# Altium PCB RK_NVR_DEMO1_RK3588_LP4XD200P232SD8_V21_20211228_final_lint.PcbDoc (part 10 of 29) (continued)
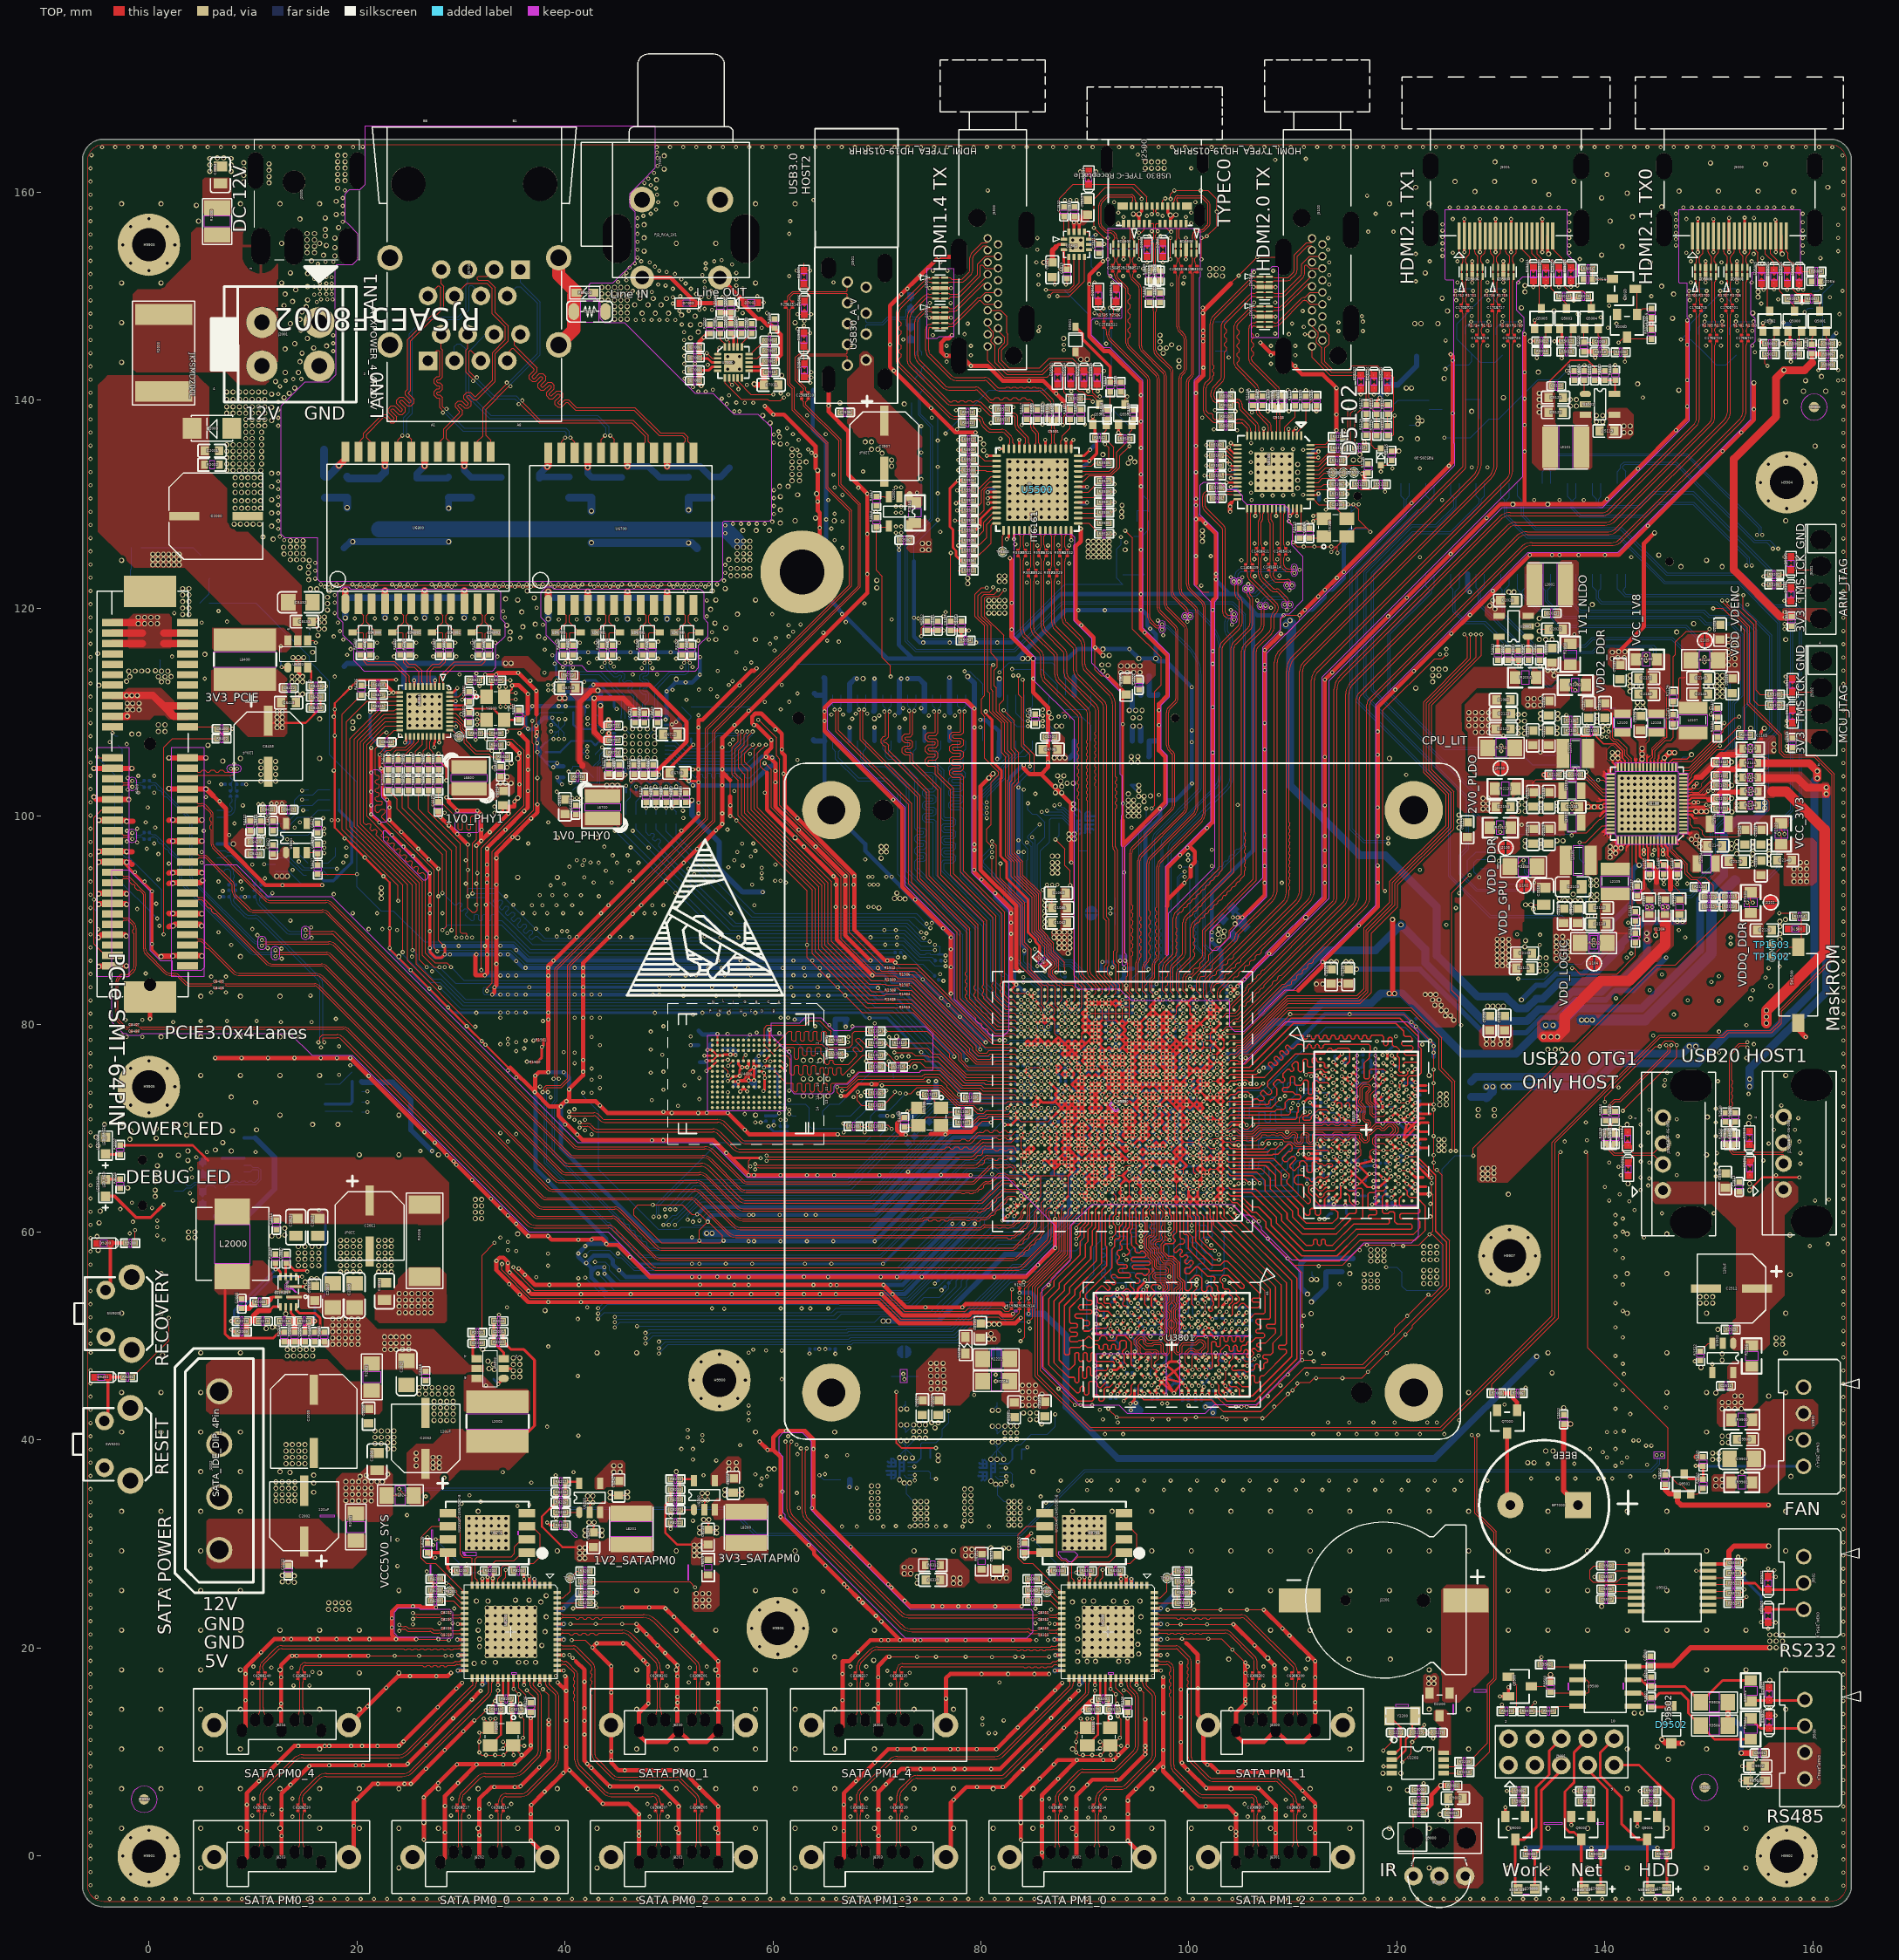
[diagram p0: TOP view]
## Nets (pads, with @x,y where several pads share a name; then routed paths per layer and width w, separated by ;. In a path a pad name is that pad's centre, name@x,y a point inside that pad or via, vN(x,y) a via of type N, cw(c..) or ccw(c..) an arc to the next point about the centre after c; other vN are vias at no path point) (continued)
  TOP w0.102: C8400.2@7.445,108.395 v18(8.018,108.395) ; v16(13.758,112.916) v16(13.758,113.424) v16(14.266,113.424) ; v16(13.86,115.253) 14.316,114.796 ; C8415.2@14.128,110.909 C8415.2@14.128,111.101 ; v16(14.266,111.748) 14.128,111.609 C8415.2@14.128,111.101 ; v16(14.266,112.916) v16(14.266,113.424) ; U8402.2@14.316,114.289 U8402.2@14.316,114.693 ; v16(14.368,115.253) 14.316,115.201 14.316,114.796 ; v16(14.774,111.748) C8415.2@14.128,111.101 ; v16(14.774,112.916) v16(14.774,113.424) v16(14.266,113.424) ; v16(14.876,115.253) U8402.2@14.316,114.693 ; R8433.2@16.506,112.493 v18(17.032,112.493) ; v16(16.871,117.996) v16(16.338,117.996) 15.637,118.697 C8433.2@15.637,118.702 C8433.2@15.901,118.702 ; v16(16.871,118.631) v16(16.338,118.631) 16.267,118.702 C8433.2@15.901,118.702 ; v16(16.871,119.139) v16(16.338,119.139) C8433.2@15.901,118.702 ; v1(17.677,122.06) 17.829,122.212 19.81,122.212 v1(19.963,122.06) v1(20.725,122.06) v1(21.487,122.06) 21.639,122.212 23.62,122.212 v1(23.773,122.06) v1(24.535,122.06) v1(25.297,122.06) 25.449,122.212 27.43,122.212 v1(27.583,122.06) v1(28.345,122.06) v1(29.107,122.06) 29.259,122.212 31.24,122.212 v1(31.393,122.06) v1(32.155,122.06) v1(32.917,122.06) v1(33.679,122.06) v1(34.441,122.06) v1(35.203,122.06) v1(35.965,122.06) v1(36.727,122.06) v1(37.489,122.06) 37.641,122.212 38.86,122.212 v1(39.013,122.06) v1(39.775,122.06) v1(40.537,122.06) v1(41.299,122.06) 41.451,122.212 42.67,122.212 v1(42.823,122.06) v1(43.585,122.06) v1(44.347,122.06) v1(45.109,122.06) 45.261,122.212 46.48,122.212 v1(46.633,122.06) v1(47.395,122.06) v1(48.157,122.06) v1(48.919,122.06) 49.071,122.212 50.29,122.212 v1(50.443,122.06) ; v2(21.099,19.266) v2(23.639,19.266) v1(25.976,19.266) v18(28.516,19.266) v18(29.1,19.266) ; v18(21.366,106.561) 21.366,106.859 22.55,108.043 v2(22.848,108.043) ; v1(22.179,105.906) 22.179,106.045 22.75,106.617 23.055,106.617 23.301,106.864 C6826.2@23.301,107.125 23.563,107.125 v2(24.172,107.734) ; v1(25.696,20.866) v18(27.83,20.866) 27.931,20.765 v18(28.846,20.765) ; R6825.2@26.873,105.385 26.873,105.251 27.322,104.802 v2(27.322,103.899) v1(27.322,101.842) 27.322,100.96 C6823.2@27.83,100.452 ; v2(27.83,94.942) v2(27.83,92.291) 27.83,88.024 v2(28.338,87.516) ; v2(30.04,109.817) 30.786,109.071 C6800.2@30.786,109.018 ; v2(30.116,111.189) 30.116,111.316 30.737,111.937 C6801.2@30.786,111.937 v2(31.36,111.937) ; v2(30.675,97.27) v2(30.675,94.831) v2(30.675,92.291) 30.675,91.166 31.081,90.76 31.386,90.76 31.589,90.963 v2(31.589,94.526) 31.589,97.066 v2(31.487,97.168) ; v2(31.284,13.043) 31.411,13.043 v1(32.402,14.034) 32.468,14.1 C8213.2@32.949,14.1 32.949,14.581 v18(33.291,14.923) 33.291,15.253 33.567,15.529 v18(33.567,15.917) ; v1(31.564,108.801) Y6800.2@32.033,109.271 ; v1(31.564,109.309) 31.602,109.271 Y6800.2@32.033,109.271 ; v1(31.564,109.817) Y6800.2@32.11,109.271 ; v1(31.79,112.51) R6821.2@31.79,113.06 ; v1(32.191,13.229) Y8200.2@32.826,12.594 ; Y6800.2@32.469,109.271 Y6800.2@32.11,109.271 ; v1(32.826,13.229) Y8200.2@32.826,12.721 ; v1(33.334,13.229) Y8200.2@32.826,12.721 ; v1(33.697,112.433) 33.697,111.942 Y6800.4@34.168,111.471 ; v1(33.799,110.503) 33.799,111.102 Y6800.4@34.168,111.471 ; v2(34.053,10.351) 34.346,10.644 Y8200.4@34.395,10.644 ; v1(34.053,10.986) Y8200.4@34.395,10.644 ; v1(34.307,110.503) Y6800.4@34.307,111.333 ; Y6800.4@34.307,111.61 v1(34.307,112.433) ; v1(34.434,108.141) 34.434,108.293 34.535,108.395 35.831,108.395 36.136,108.7 ; Y6800.4@34.546,111.849 v1(35.272,111.849) ; v1(34.815,110.503) 34.815,110.825 ; v2(35.069,9.716) 35.026,9.759 Y8200.4@35.026,10.521 ; v18(35.069,16.066) v18(35.577,15.558) 35.577,14.796 v23(35.704,14.669) 35.767,14.606 C8211.2@35.767,14.101 v1(35.767,13.463) 36.085,13.145 36.085,11.494 v1(35.958,11.367) Y8200.4@35.235,10.644 ; v1(35.272,111.24) Y6800.4@34.4,111.24 ; v2(35.831,9.716) Y8200.4@35.026,10.521 ; v2(36.085,10.605) 35.831,10.605 35.792,10.644 Y8200.4@35.235,10.644 ; v18(36.339,15.939) 37.147,15.13 37.147,14.36 36.72,13.932 R8206.2@36.72,13.838 v1(36.72,13.272) ; v1(36.44,108.395) 36.136,108.7 ; 36.44,109.868 36.136,109.563 ; v1(37.253,107.684) 37.253,107.099 v1(37.329,107.023) 37.329,106.185 v1(37.355,106.16) v2(37.355,103.67) v2(37.355,101.13) ; v1(37.253,108.7) 37.279,108.725 37.279,109.741 37.253,109.766 ; v18(37.884,16.055) 37.884,16.03 38.447,15.467 v1(38.447,13.094) ; v18(40.428,19.342) 40.447,19.342 v18(40.747,19.043) 41.057,18.733 ; v18(40.53,22.314) v2(42.962,22.314) v2(45.502,22.314) v2(46.88,22.314) ; v18(40.657,20.765) 41.952,20.765 v1(42.653,20.063) ; v2(40.784,23.813) 41.952,23.813 42.054,23.914 v2(43.029,23.914) v2(45.508,23.914) ; v9(41.927,30.823) 42.219,31.116 ; v9(41.927,31.331) 42.142,31.116 42.219,31.116 ; v9(42.181,34.633) v9(42.181,33.998) 42.388,33.791 42.388,33.697 ; v9(42.308,32.093) 42.736,31.665 42.736,31.538 ; U8203.2@42.388,33.055 42.388,33.697 ; C8204.2@42.41,24.319 v2(42.943,24.319) ; v9(42.689,34.633) v9(42.689,33.998) 42.388,33.697 ; v9(42.816,32.093) 42.863,32.046 42.863,31.665 42.736,31.538 ; v9(43.578,30.823) 43.285,31.116 ; v9(43.578,31.331) 43.362,31.116 43.285,31.116 ; v9(44.353,34.467) 44.579,34.693 44.636,34.693 ; v9(44.353,34.975) 44.636,34.693 ; v9(46.016,34.506) 45.83,34.693 45.695,34.693 ; v9(46.016,35.014) 45.695,34.693 ; v9(52.95,31.077) 53.243,31.37 ; v9(52.95,31.585) 53.166,31.37 53.243,31.37 ; v9(53.204,34.887) v9(53.204,34.252) 53.411,34.045 53.411,33.951 ; v9(53.331,32.347) 53.759,31.919 53.759,31.792 ; U8202.2@53.411,33.309 53.411,33.951 ; v9(53.712,34.887) v9(53.712,34.252) 53.411,33.951 ; v9(53.839,32.347) 53.886,32.3 53.886,31.919 53.759,31.792 ; v9(54.601,31.077) 54.309,31.37 ; v9(54.601,31.585) 54.386,31.37 54.309,31.37 ; v9(55.377,34.721) 55.602,34.947 55.66,34.947 ; v9(55.377,35.229) 55.66,34.947 ; v2(55.897,100.013) 56.075,100.013 63.288,92.799 v2(63.288,87.618) 63.288,86.398 68.571,81.115 73.465,81.115 77.43,77.15 v2(77.43,76.868) ; 55.897,101.918 55.897,103.442 ; v9(57.04,34.76) 56.853,34.947 56.718,34.947 ; v9(57.04,35.268) 56.718,34.947 ; v1(57.675,65.469) 57.675,66.866 57.929,67.12 ; v2(59.326,105.702) 59.173,105.702 58.818,105.347 58.818,104.788 59.427,104.178 ; v1(62.288,152.454) D2507.2@62.983,152.454 ; v1(62.374,146.85) 62.78,146.444 62.978,146.449 D2508.2@62.983,146.454 ; v1(62.374,148.263) D2506.2@63.023,148.263 ; v1(62.983,147.15) D2508.2@62.983,146.454 ; 62.983,153.15 D2507.2@62.983,152.454 ; v1(63.023,147.601) D2506.2@63.023,148.263 ; v1(63.577,146.454) D2508.2@62.983,146.454 ; v1(63.577,152.454) D2507.2@62.983,152.454 ; v1(63.605,141.681) D2509.2@63.023,142.263 63.273,142.263 ; v1(63.685,148.263) D2506.2@63.023,148.263 ; v1(63.695,142.177) 63.608,142.263 63.273,142.263 ; v1(63.695,142.685) 63.273,142.263 ; v2(66.235,69.406) 66.336,69.406 66.501,69.241 72.165,69.241 72.331,69.406 ; v2(66.539,73.089) 66.184,73.444 v2(66.184,73.952) 67.141,73.952 68.182,74.994 74.363,74.994 74.591,75.222 75.988,75.222 77.893,73.317 v2(77.893,73.241) ; v2@69.613,84.646 71.772,84.646 72.026,84.392 73.474,84.392 79.93,77.935 v2(79.93,77.559) ; 69.994,74.232 70.273,74.511 v2(74.972,74.511) ; v2@70.121,85.379 70.397,85.103 73.591,85.103 v2(74.396,84.298) v2(76.192,82.502) v2(76.866,81.828) v2(77.988,80.706) v2(80.459,78.236) ; v1(71.188,19.165) v1(73.855,19.165) v1(75.683,19.165) v1(78.528,19.165) v18(83.303,19.165) v18(84.015,19.165) v18(86.555,19.165) ; v2(71.772,85.916) 71.924,85.763 73.829,85.763 77.112,82.48 ; C1102.2@72.661,70.999 73.058,71.396 73.058,71.565 v1@72.956,71.666 ; v1(72.775,69.368) 72.826,69.368 72.915,69.279 75.023,69.279 75.175,69.431 ; v1(72.94,71.616) 72.94,71.651 v1@72.956,71.666 ; v2(73.956,73.343) 73.956,73.317 74.058,73.216 C1101.2@74.624,73.216 ; v2(77.112,82.944) 77.112,82.48 ; 77.817,123.596 R5511.2@78.383,123.596 ; v18(77.817,126.022) 78.313,125.527 R5510.2@78.383,125.527 ; 77.817,126.492 R5508.2@78.383,126.492 ; 77.817,127.457 R5506.2@78.383,127.457 ; v23(77.817,133.267) C5500.2@78.383,133.267 ; v23(77.817,134.252) R5507.2@78.383,134.252 ; v23(77.817,136.182) R5513.2@78.383,136.182 ; 79.519,70.041 80.154,70.676 80.84,70.676 v2(80.967,70.549) 80.967,70.6 81.221,70.854 82.001,70.854 82.09,70.764 ; v2(81.805,78.451) 81.073,78.451 77.112,82.412 77.112,82.48 ; 82.09,71.692 80.535,71.692 80.281,71.438 79.646,71.438 79.091,71.992 77.745,71.992 76.191,73.546 76.141,73.546 76.039,73.648 75.055,73.648 C1101.2@74.624,73.216 ; v2(84.015,113.119) 84.116,113.018 84.116,106.922 85.132,105.906 85.132,104.229 84.929,104.026 ; 85.155,65.42 85.742,65.42 87.063,65.42 ; v5(86.148,91.428) 86.199,91.428 86.453,91.174 C1086.2@86.871,91.174 C1086.2@86.871,91.569 ; v5(86.148,91.936) 86.199,91.986 86.453,91.986 C1086.2@86.871,91.569 ; v2(86.351,93.409) 86.351,93.206 86.871,92.686 C1086.2@86.871,91.569 ; v1(87.113,151.118) C2516.2@87.113,151.84 ; v2(87.116,62.181) 87.139,62.158 87.139,61.982 87.138,61.731 ; 87.116,66.081 87.063,66.027 87.063,65.42 ; 87.116,80.381 87.116,79.08 87.441,78.755 ; v2(87.139,61.278) 87.139,61.73 ; v2(87.237,140.624) 87.367,140.755 ED5502.2@87.367,141.554 ; 87.774,109.97 88.18,109.97 88.587,109.563 88.587,109.36 ; v18(87.875,137.605) 87.977,137.706 87.977,138.461 R5531.2@88.587,139.071 ; v18(88.18,151.118) 88.282,151.219 C2519.2@88.282,151.683 ; 88.39,63.455 88.405,63.47 88.405,64.758 88.405,65.42 87.774,65.42 87.063,65.42 ; ED5504.2@88.637,141.554 88.637,140.907 v2(88.688,140.856) ; v2(88.688,95.542) 88.942,95.288 88.942,84.696 89.558,84.081 ; 89.139,61.043 88.739,60.643 88.739,57.544 86.758,55.562 86.758,55.182 v2(86.504,54.928) 85.742,54.166 85.742,46.673 v23(89.044,43.371) v23(89.583,43.371) v18(90.695,43.371) ; v18(89.595,13.229) Y8300.2@90.23,12.594 ; 89.716,78.431 89.716,79.08 ; v18(89.806,14.034) 89.872,14.1 C8313.2@90.353,14.1 90.353,14.581 v18(90.695,14.923) 90.695,15.253 90.971,15.529 v18(90.971,15.917) ; ED5503.2@89.907,141.554 89.907,141.262 v2(90.314,140.856) ; v18(90.23,13.229) Y8300.2@90.23,12.721 ; v18(90.738,13.229) Y8300.2@90.23,12.721 ; v2(90.987,116.205) 90.987,114.071 91.555,113.504 v2(92.175,113.504) ; v2(91.016,80.381) v2(91.016,81.681) ; ED5505.2@91.177,141.554 91.177,140.907 v2(91.228,140.856) ; v2(91.457,10.351) 91.75,10.644 Y8300.4@91.799,10.644 ; v18(91.457,10.986) Y8300.4@91.799,10.644 ; v2(91.666,72.581) v2(91.666,73.231) ; 91.666,80.381 v2(91.666,81.681) ; v1(92.215,153.551) 92.241,153.577 92.241,155.567 v1(92.215,155.593) 91.84,155.593 v18(90.865,156.568) 90.865,159.34 91.99,160.465 94.53,160.465 95.445,159.55 v18(95.445,159.347) ; v2(92.244,43.015) v18(93.057,42.202) v18(100.677,42.202) v18(103.217,42.202) 107.383,42.202 v2(109.968,44.787) 110.735,45.555 111.65,45.555 112.056,45.962 v2(112.22,45.962) v2(114.76,45.962) 116.628,45.962 v2(117.228,46.561) v2(119.024,48.357) v2(120.82,50.153) 121.505,50.838 121.505,51.042 125.061,54.598 125.061,59.17 124.35,59.881 124.35,65.469 v2(123.842,65.977) 123.639,65.977 123.537,66.078 v2(123.537,66.699) v2(123.537,67.399) 123.533,67.403 v2(123.533,69.239) v2(123.533,71.779) v2(123.533,74.319) v2(123.533,75.629) v2(123.533,77.254) v2(123.533,77.895) 123.533,78.071 v2(123.199,78.404) 120.64,80.964 v2(115.46,80.964) v2(109.743,80.964) 105.878,77.098 105.245,77.098 105.153,77.007 ; R5534.2@92.288,127.14 v2(92.854,127.14) ; R5536.2@92.288,129.172 92.549,129.172 v2(92.854,129.477) ; R5537.2@92.288,130.188 v2(92.854,130.188) ; R5539.2@92.288,131.204 v2(92.854,131.204) ; R5541.2@92.288,132.22 92.549,132.22 v2(92.854,131.915) ; v2(92.473,9.716) 92.43,9.759 Y8300.4@92.43,10.521 ; v18(92.473,16.066) v18(92.981,15.558) 92.981,14.796 v18(93.108,14.669) 93.171,14.606 C8311.2@93.171,14.101 v18(93.171,13.463) 93.489,13.145 93.489,11.494 v18(93.362,11.367) Y8300.4@92.639,10.644 ; v28(92.473,50.704) 92.498,50.73 92.498,51.473 v2(92.473,51.499) ; 92.966,80.381 92.966,81.681 ; v2(93.235,9.716) Y8300.4@92.43,10.521 ; v2(93.489,10.605) 93.235,10.605 93.196,10.644 Y8300.4@92.639,10.644 ; 93.616,68.681 v2(94.266,68.681) ; v2(93.616,81.681) 94.183,81.681 94.266,81.598 ; v2(93.616,82.331) 94.153,82.331 94.175,82.309 94.266,82.218 94.266,81.598 ; 93.641,97.244 93.768,97.117 v2(93.768,94.577) 93.768,86.906 ; v18(93.743,15.939) 93.997,15.939 94.551,15.384 94.551,14.265 R8306.2@94.124,13.838 94.124,13.373 94.098,13.348 v18(94.098,13.246) ; 94.266,63.481 94.266,64.78 ; v2(94.266,80.381) 94.266,81.014 94.266,81.598 ; v1(95.214,153.551) v1(95.214,155.593) ; v18(95.288,16.055) 95.648,15.695 95.648,13.246 95.749,13.145 v18(95.8,13.145) ; v18(95.394,59.119) 95.746,59.471 ; v18@95.521,58.992 95.746,58.766 ; U1000.A14@95.891,61.856 95.891,62.057 96.215,62.382 v2(96.215,62.831) ; v1(95.972,153.251) D2505.2@95.972,153.848 ; 96.029,61.043 96.012,61.027 96.012,59.813 95.746,59.547 95.746,59.471 ; v2(96.872,83.852) 97.121,84.102 97.121,85.789 97.889,86.557 97.889,86.697 ; 96.918,61.043 96.918,59.691 96.356,59.129 96.356,58.597 96.694,58.259 96.694,57.844 97.101,57.437 97.101,56.96 97.203,56.858 98.095,56.858 98.264,56.689 98.264,56.032 98.127,55.894 98.127,55.73 v18(98.112,55.715) 98.137,55.69 98.137,55.594 98.264,55.467 98.264,55.174 98.386,55.052 98.386,53.28 ; v28@97.037,46.822 96.609,46.822 96.406,47.025 96.406,48.074 96.207,48.273 95.96,48.273 95.643,47.956 U3801.T8@95.421,47.956 95.125,48.252 95.125,48.805 94.733,49.196 94.733,49.668 U3801.T5@95.421,50.356 96.137,49.64 97.091,49.64 97.676,50.225 97.676,50.479 97.418,50.737 97.197,50.737 v2(97.172,50.762) ; v28(97.067,53.171) 97.149,53.253 97.496,53.253 97.676,53.433 97.676,53.803 97.524,53.955 ; U3801.N4@97.371,51.156 97.397,51.181 97.397,51.554 97.676,51.833 97.676,52.079 97.371,52.384 U3801.N2@97.371,52.756 ; v1(97.496,153.261) D2504.2@97.496,153.848 ; 97.727,61.043 97.727,59.649 ; v18(97.934,20.892) v18(99.331,20.892) ; v18(97.934,22.289) v18(99.204,22.289) v1(101.744,22.289) v1(104.284,22.289) ; v18(97.959,23.686) v18(100.499,23.686) v1(103.039,23.686) v1(105.579,23.686) v1(107.205,23.686) ; 98.187,47.562 98.209,47.584 98.336,47.584 ; v1(98.215,153.551) v1(98.215,155.593) ; v18(98.239,159.347) 98.239,159.804 v18(98.594,160.16) v18(101.134,160.16) 101.845,160.16 102.658,159.347 v18(102.658,158.128) 102.658,156.706 v18(101.72,155.768) 101.546,155.593 v1(101.214,155.593) v1(101.214,153.551) ; 98.815,63.481 98.815,63.564 ; v2(98.816,66.081) 99.458,66.081 99.466,66.073 v2(99.466,65.43) ; v2(99.077,47.562) 99.055,47.584 98.336,47.584 ; U3801.K2@99.321,52.756 99.019,52.453 99.019,51.717 99.321,51.415 U3801.K4@99.321,51.156 99.321,50.783 98.997,50.459 98.997,50.232 99.255,49.974 99.255,49.797 99.458,49.594 99.712,49.594 99.839,49.721 100.093,49.721 100.22,49.594 100.474,49.594 100.835,49.955 v28(101.622,49.955) 101.698,49.955 101.871,49.782 101.871,48.555 v28(101.564,48.249) ; U3801.K2@99.321,52.887 99.321,53.105 98.997,53.429 98.997,53.699 99.153,53.856 ; v2(99.559,93.587) 100.169,94.196 ; v28@99.672,46.805 100.098,46.805 100.129,46.774 v2(100.347,46.774) 100.318,46.804 100.318,48.091 100.499,48.273 100.753,48.273 100.956,48.07 101.158,48.07 U3801.G8@101.271,47.956 ; 99.763,20.46 v18(99.331,20.892) ; C8304.2@99.814,24.319 v18(100.347,24.319) ; v2(100.115,84.36) 101.896,86.141 101.896,86.657 102.681,87.442 102.94,87.442 103.903,88.405 103.903,89.015 104.639,89.751 104.639,90.208 v2(104.69,90.259) ; 100.677,122.162 101.287,121.552 101.896,121.552 ; 100.849,63.564 100.855,63.564 ; v28(101.546,52.256) 101.584,52.294 v28(101.584,53.243) ; v1(101.671,133.708) R5100.2@102.196,133.708 ; 102.065,66.081 102.716,66.081 ; v2(102.066,74.531) 102.716,74.531 ; 102.066,77.781 101.416,77.781 v2(101.416,78.431) 102.066,78.431 102.066,79.08 v2(101.417,79.081) 101.417,79.73 v2(101.415,79.731) v2(102.066,79.73) v2(102.066,80.381) ; v2(102.201,88.837) 102.201,89.04 102.709,89.548 103.014,89.548 ; v28(102.629,44.231) 103.616,43.244 106.443,43.244 v2(109.514,46.315) v2(110.888,47.689) ; v2(102.716,76.481) 102.716,77.131 ; U3801.D11@103.221,45.556 103.546,45.881 v35(103.546,46.831) ; 103.366,68.681 103.865,68.681 104.191,68.356 U1000.L1@104.341,68.356 ; v2(103.366,69.331) v2(104.016,69.331) ; v2(103.366,69.981) 103.843,69.981 104.168,70.306 U1000.P1@104.341,70.306 ; 103.369,77.784 103.369,78.427 ; 104.03,151.219 v18(104.783,151.972) v1(106.579,153.768) J5100.21@109.087,153.768 ; 104.999,79.08 105.246,79.08 109.415,83.249 110.532,83.249 ; 105.153,68.356 106.942,68.356 107.078,68.491 v2(107.078,68.517) 107.103,68.517 107.484,68.898 109.008,68.898 109.186,68.72 109.796,68.72 110.291,68.225 112.089,68.225 v2(112.356,68.491) 112.338,68.509 112.338,68.982 112.53,69.174 112.751,69.174 113.068,68.856 U3800.N2@113.441,68.856 113.813,68.856 114.13,69.174 114.351,69.174 114.668,68.856 U3800.N4@115.041,68.856 115.413,68.856 115.721,69.164 115.966,69.164 116.479,68.651 116.479,68.005 116.553,67.932 116.553,67.451 116.008,66.906 U3800.T5@115.841,66.906 ; 105.153,69.253 106.29,69.253 106.871,69.834 109.211,69.834 ; 105.153,70.078 105.318,69.914 105.681,69.914 106.062,70.295 106.138,70.295 v2(106.189,70.346) 106.24,70.346 106.388,70.494 110.634,70.494 ; v23(105.427,18.606) v1(104.186,19.847) 103.141,20.892 v1(101.871,20.892) v18(99.331,20.892) ; v2(106.214,61.024) 106.214,60.744 v2(107.586,59.373) v2(109.491,57.468) 110.126,56.833 ; v2(109.438,69.633) 109.413,69.633 v2@109.385,69.661 ; v18(109.618,128.359) 110.024,127.953 v1(110.024,126.327) 110.431,125.921 v1(111.04,125.921) v1(112.056,125.921) v1(112.971,125.921) v1(113.682,125.921) 114.209,125.921 ; v18(111.142,71.565) 111.142,71.54 110.634,71.032 110.634,70.494 ; v1(111.161,146.323) J5100.17@111.837,146.323 ; v18(111.345,128.258) 111.604,127.999 C5104.2@111.604,127.66 ; v18(111.955,128.359) 112.195,128.599 Y5100.4@112.988,128.599 112.582,129.006 112.093,129.006 v18(111.955,128.867) ; v2(112.005,47.587) 111.904,47.689 v2(110.888,47.689) ; 112.693,47.259 116.706,47.259 119.778,50.33 119.778,50.737 v2(120.985,51.944) v2(123.029,53.988) 123.211,53.806 123.355,53.806 124.451,54.902 124.451,58.763 123.435,59.779 v2(123.131,59.779) ; v28(113.116,71.131) 113.116,70.846 112.764,70.494 110.634,70.494 ; v18(113.174,130.391) 114.495,130.391 114.702,130.184 C5105.2@114.702,129.955 115.845,129.955 116.323,129.477 116.323,128.461 117.035,127.75 ; U3800.K2@113.441,70.807 113.597,70.65 113.961,70.65 114.117,70.494 114.364,70.494 114.571,70.701 114.571,71.012 v28(114.69,71.131) ; v1(113.691,125.403) 114.209,125.921 ; v1(114.291,125.311) 114.291,126.003 ; v2(114.647,67.78) 114.749,67.882 115.315,67.882 v2(115.439,67.757) ; R5117.2@114.702,130.971 v18(115.231,130.971) ; C5106.2@114.702,131.925 v18(115.231,131.925) ; U3800.E5@115.841,74.056 116.007,73.89 ; v2@116.095,73.011 116.095,72.327 116.577,71.844 116.577,71.663 116.476,71.561 116.476,70.854 v2(116.312,70.69) ; v2(116.134,73.05) 116.222,73.138 116.222,73.675 116.007,73.89 ; v18(116.527,140.551) ED5102.2@116.527,141.148 ; 117.441,67.298 117.441,67.78 117.67,68.009 118,68.009 118.139,67.869 v2(118.703,67.869) v2(119.503,67.869) ; v1(117.441,127.343) 117.035,127.75 ; v18(117.797,140.551) ED5104.2@117.797,141.148 ; v2(118.152,95.238) v2(118.152,98.082) ; v28(118.635,70.422) 118.552,70.504 118.031,70.504 117.361,69.834 109.415,69.834 ; v2(118.635,71.666) 118.533,71.666 118.41,71.79 118.029,71.79 117.873,71.946 117.873,72.174 117.492,72.555 117.492,73.216 118.241,73.965 U3800.E8@118.241,74.056 118.241,74.245 117.865,74.621 v2(117.865,74.981) 117.319,74.435 116.767,74.435 116.222,73.89 116.007,73.89 ; v2(118.686,10.148) 119.46,10.922 v2(119.46,11.214) C2227.2@119.46,11.87 ; U3800.K9@119.041,70.807 119.197,70.65 119.524,70.65 120.159,70.016 120.159,69.659 119.376,68.877 v28(119.376,68.597) ; v18(119.067,140.551) ED5103.2@119.067,141.148 ; v28(120.223,72.569) 120.363,72.428 v2(121.022,72.428) ; v2(120.266,65.955) 120.292,65.93 121.041,65.93 v2(121.067,65.955) ; v2(120.514,9.03) 121.353,9.868 121.353,10.847 v2(121.473,10.967) C2229.2@122.376,11.87 122.376,12.365 v2(122.623,12.611) ; v28@121.659,66.688 122.115,66.688 123.334,65.469 v2(123.334,65.215) v2(123.334,64.707) 123.334,63.716 ; 121.929,63.818 123.232,63.818 123.334,63.716 ; C2229.2@122.376,11.87 v2(122.953,11.87) C2228.2@123.489,11.87 v2(123.489,11.293) ; C9001.2@124.83,4.126 v1(124.83,4.763) ; v9(132.376,91.478) v9(132.884,91.478) 132.986,91.478 132.998,91.466 C2110.2@134.103,91.466 ; v9(133.697,117.793) 133.871,117.967 C2022.2@134.573,117.967 ; v2(136.185,103.977) C2166.2@136.727,103.977 ; C5134.2@138.033,142.821 v2(138.033,143.363) ; C2165.2@138.251,108.192 v2(138.251,108.717) ; v1(139.996,72.53) 139.996,72.987 144.873,77.864 v2(145.279,77.864) 145.787,78.372 146.499,78.372 v2(146.905,77.966) 146.905,76.848 v1(141.723,71.666) ; R5133.2@140.987,142.821 v2(140.987,143.37) ; v23(143.832,19.212) C9500.2@144.392,19.212 ; v23(143.857,17.412) 144.049,17.22 R9508.2@144.442,17.22 ; v1(144.302,93.841) C2155.2@144.302,94.406 ; v1(145.635,93.841) C2160.2@145.635,94.406 ; v1(146.944,93.841) C2163.2@146.944,94.406 ; v1(148.785,27.435) U9501.15@149.908,27.435 ; v9(150.664,44.539) 151.179,45.054 C2511.2@151.179,45.225 ; R2134.2@150.817,108.489 151.013,108.489 v2(151.477,108.954) ; v2(152.805,28.791) C9505.2@152.805,28.192 153.138,28.192 v2(153.484,28.537) ; v1(153.026,7.271) FB9500.2@153.782,7.271 v1(153.782,6.566) ; v1(153.204,8.643) C9502.2@153.998,8.643 ; v1(153.998,7.938) C9502.2@153.998,8.643 ; v1(154.55,9.309) 153.998,8.757 C9502.2@153.998,8.643 ; v1(155.008,22.481) ED9503.2@155.693,22.481 ; v1(155.109,13.52) ED9500.2@155.795,13.52 ; v18(155.693,21.882) ED9503.2@155.693,22.481 ; v18(155.693,27.648) ED9502.2@155.693,26.88 ; v1(155.795,14.212) ED9500.2@155.795,13.53 ED9500.2@155.795,13.52 ; v18(156.293,27.48) ED9502.2@155.693,26.88 ; v1(156.405,13.52) ED9500.2@155.795,13.52 ; v18(156.416,22.461) 155.713,22.461 ED9503.2@155.693,22.481 ; v18(156.43,26.861) 155.713,26.861 ED9502.2@155.693,26.88 ; v1(157.246,120.711) D9103.2@157.891,120.711 v1(158.691,120.711) ; v18(157.268,117.996) 157.666,117.996 C9105.2@157.94,118.271 157.737,118.474 v18(157.268,118.474) ; v1(157.271,124.933) D9102.2@157.891,124.933 v1(158.485,124.933) ; v2(157.37,112.916) 157.471,113.018 157.861,113.018 D9104.2@158.042,113.198 157.816,113.424 v2(157.37,113.424) ; v2(157.449,108.671) 157.737,108.671 D9105.2@158.042,108.976 157.861,109.157 v2(157.471,109.157) ; v2(157.471,106.312) 157.742,106.312 C9106.2@158.016,106.587 157.603,106.587 v2(157.471,106.718) ; U8402.2@14.316,114.693 14.316,114.796 ; Y6800.2@32.033,109.271 Y6800.2@32.11,109.271 ; Y8200.2@32.826,12.594 Y8200.2@32.826,12.344 32.357,11.875 v2(31.767,11.875) 31.894,11.748 31.894,11.412 31.767,11.285 v2(31.767,10.986) v2(31.767,9.97) 32.021,9.716 v2(32.402,9.716) v2(33.291,9.716) v2(34.098,9.716) Y8200.4@35.026,10.644 ; Y8200.2@32.826,12.594 Y8200.2@32.826,12.721 ; Y6800.4@34.168,111.471 Y6800.4@34.307,111.333 ; Y6800.4@34.307,111.333 Y6800.4@34.4,111.24 ; Y8200.4@34.395,10.644 Y8200.4@35.026,10.644 ; Y6800.4@34.4,111.24 34.815,110.825 ; 34.815,110.825 35.468,110.171 R6802.2@35.56,110.171 36.136,109.596 36.136,109.563 ; Y8200.4@35.026,10.521 Y8200.4@35.026,10.644 ; Y8200.4@35.026,10.644 Y8200.4@35.235,10.644 ; 36.136,108.7 36.136,109.563 ; 42.219,31.116 C8244.2@42.736,31.116 ; C8244.2@42.736,31.116 43.285,31.116 ; C8244.2@42.736,31.116 42.736,31.538 ; 44.636,34.693 C8242.2@45.164,34.693 45.695,34.693 ; v1(52.925,59.17) 52.722,58.966 49.267,58.966 46.626,61.608 46.626,62.218 47.032,62.624 v2(48.455,62.624) 51.299,62.624 52.214,61.71 v1(52.722,61.71) 53.027,61.71 v1(53.738,60.998) ; v1(52.925,59.17) 52.925,60.186 v1(53.738,60.998) ; v1(52.925,59.17) 53.128,58.966 54.957,58.966 55.135,59.144 55.135,59.652 53.931,60.856 53.88,60.856 v1(53.738,60.998) ; 53.243,31.37 C8226.2@53.759,31.37 ; C8226.2@53.759,31.37 54.309,31.37 ; C8226.2@53.759,31.37 53.759,31.792 ; 55.66,34.947 C8224.2@56.188,34.947 56.718,34.947 ; v1@72.956,71.666 73.093,71.666 73.333,71.907 74.101,71.907 74.624,72.43 C1101.2@74.624,73.216 ; Y8300.2@90.23,12.594 Y8300.2@90.23,12.344 89.761,11.875 v18(89.171,11.875) 89.298,11.748 89.298,11.412 89.171,11.285 v18(89.171,10.986) v2(89.171,9.97) 89.425,9.716 v2(89.806,9.716) v2(90.695,9.716) v2(91.502,9.716) Y8300.4@92.43,10.644 ; Y8300.2@90.23,12.594 Y8300.2@90.23,12.721 ; Y8300.4@91.799,10.644 Y8300.4@92.43,10.644 ; Y8300.4@92.43,10.521 Y8300.4@92.43,10.644 ; Y8300.4@92.43,10.644 Y8300.4@92.639,10.644 ; 95.746,58.766 95.746,58.327 96.08,57.993 96.08,57.595 96.492,57.184 96.492,56.588 ; 95.746,58.766 95.746,59.471 ; 96.492,56.151 96.182,55.842 96.182,55.283 96.284,55.182 97.162,55.182 ; 96.492,56.151 96.684,56.343 96.684,56.396 96.492,56.588 ; 96.492,56.151 96.492,56.588 ; 97.162,55.182 97.578,55.182 97.654,55.106 97.654,54.921 97.777,54.799 97.777,54.677 97.53,54.43 97.53,53.96 97.524,53.955 ; 97.162,55.182 97.524,54.82 97.524,53.955 ; 97.69,59.209 98.1,59.209 v18(98.133,59.242) 97.727,59.649 ; 97.69,59.209 97.727,59.246 97.727,59.649 ; 97.69,59.209 97.324,58.843 97.324,58.077 97.701,57.7 97.701,57.668 97.902,57.468 98.391,57.468 98.874,56.985 98.874,55.636 99.399,55.111 99.399,54.647 ; 98.336,47.584 98.336,47.689 ; 98.336,47.689 98.386,47.739 98.386,49.351 98.645,49.61 98.645,49.674 98.336,49.983 ; 98.336,47.689 98.336,49.508 ; 98.336,49.508 98.336,49.983 ; 98.336,49.508 98.088,49.757 98.336,50.005 ; 98.336,49.983 98.336,50.005 ; 98.336,50.005 98.336,50.661 98.612,50.937 98.612,51.261 98.336,51.537 ; 98.336,51.537 98.336,50.681 98.08,50.937 98.08,51.375 98.336,51.631 ; 98.336,51.537 98.336,51.631 ; 98.336,51.631 98.336,52.282 ; 98.336,52.282 98.091,52.527 98.091,52.985 98.386,53.28 ; 98.336,52.282 98.336,52.634 98.611,52.908 98.611,52.952 98.386,53.177 98.386,53.28 ; 99.153,53.856 99.399,54.101 99.399,54.647 ; 99.153,53.856 99.153,54.394 99.149,54.398 99.399,54.647 ; 109.211,69.834 109.415,69.834 ; 109.211,69.834 v2@109.385,69.661 ; v2@109.385,69.661 109.385,69.804 109.415,69.834 ; 110.126,56.833 112.375,56.833 v2(112.475,56.732) 112.575,56.833 114.799,56.833 116.222,58.255 v2(116.425,58.255) 116.323,58.357 116.73,58.763 v2(117.119,58.763) v2(119.659,58.763) 122.115,58.763 v2(123.131,59.779) ; 110.126,56.833 110.888,56.071 110.888,51.296 110.939,51.245 110.888,51.194 v2(110.888,50.991) v2(110.888,48.451) v2(110.888,47.689) ; 114.209,125.921 114.291,126.003 ; 114.291,126.003 Y5100.2@115.188,126.9 116.038,127.75 117.035,127.75 ; v2(123.131,59.779) 123.461,60.109 123.461,63.589 123.334,63.716 ; v2@108.805,117.59 108.805,118.91 109.211,119.317 v2(110.634,119.317) 110.634,118.809 109.364,117.539 v2(108.856,117.539) v2@108.805,117.59
  TOP w0.127: v2(92.966,65.431) 93.615,65.431 ; 100.116,81.031 100.116,81.681
  TOP w0.152: R6823.2@27.839,105.385 28.592,104.632 v2(28.592,103.442) ; U3800.K4@115.041,70.807 115.095,70.752 115.399,70.752 115.682,70.469 116.091,70.469 v2(116.312,70.69) ; v2(120.159,73.724) 120.265,73.83 120.265,74.331 v2(120.316,74.382)
  TOP w0.203: v9(13.154,52.154) U2000.10@13.154,52.817 ; v2(23.766,113.119) 20.141,113.119 v1(19.358,112.336) 17.873,110.851 v1(17.873,110.275) v1(17.873,107.735) 17.873,98.895 v2(20.749,96.02) v2(22.545,94.224) 23.156,93.612 v2(23.156,89.218) v2(23.156,87.313) 23.156,87.211 v2(25.171,85.196) v2(26.967,83.4) v2(28.763,81.604) v2(30.559,79.808) v2(32.355,78.012) 34.535,75.832 34.739,75.832 ; R6831.2@23.978,105.385 v2(23.978,105.94) ; R6825.2@26.873,105.385 v2(26.873,105.94) ; R6823.2@27.839,105.385 v1(27.839,106.024) ; R6821.2@31.79,113.06 v1(32.341,113.611) v1(33.392,113.611) ; Y6800.4@34.168,111.471 34.307,111.61 34.546,111.849 34.916,112.219 v1(34.916,112.56) ; U8200.41@35.065,17.127 35.065,16.197 35.069,16.193 v18(35.069,16.066) ; v2(39.14,32.482) C8255.2@39.14,33.05 ; v2(50.164,32.736) C8237.2@50.164,33.304 ; v2(53.408,76.969) U4000.P4@54.169,76.969 ; v1(53.611,75.502) 53.874,75.765 53.965,75.765 U4000.P6@54.169,75.969 U4000.N5@54.668,76.469 ; U4000.N2@54.668,77.969 v2(54.668,79.058) ; v2(55.668,74.534) 55.733,74.534 U4000.K8@56.169,74.969 U4000.K8@56.204,74.969 ; U4000.E7@58.668,75.469 58.966,75.469 v2(59.136,75.299) ; v2(59.23,76.471) 59.668,76.91 U4000.C4@59.668,76.969 ; U4000.A6@60.668,75.969 60.712,75.969 v2(61.155,75.527) ; U8300.41@92.469,17.127 92.469,16.197 92.473,16.193 v18(92.473,16.066) ; 97.889,86.697 97.889,91.332 ; v2(113.834,72.339) 113.834,72.35 U3800.G3@114.241,72.757 ; U3800.AB3@114.241,63.006 114.596,63.362 114.596,64.512 v28(114.69,64.606) ; U3800.V5@115.841,65.606 115.881,65.606 116.628,64.859 ; v2(116.168,64.634) 116.403,64.634 116.628,64.859 ; v2(116.242,66.505) 117.151,65.596 v2(117.365,65.596) 116.628,64.859 ; v2(117.746,64.326) 117.162,64.326 116.628,64.859 ; C2172.2@151.584,100.749 151.809,100.749 152.152,100.406 v9(152.203,100.406) ; C2170.2@151.584,101.664 152.108,101.664 152.163,101.719 v9(152.188,101.719) ; C2169.2@151.584,102.959 v9(152.185,102.959) ; C2164.2@151.584,105.194 v9(152.163,105.194) ; v32(153.916,64.046) 155.135,65.266 v18(158.691,65.266)